# Allegro board BeagleBoard-X15_RevA2.brd (continued)
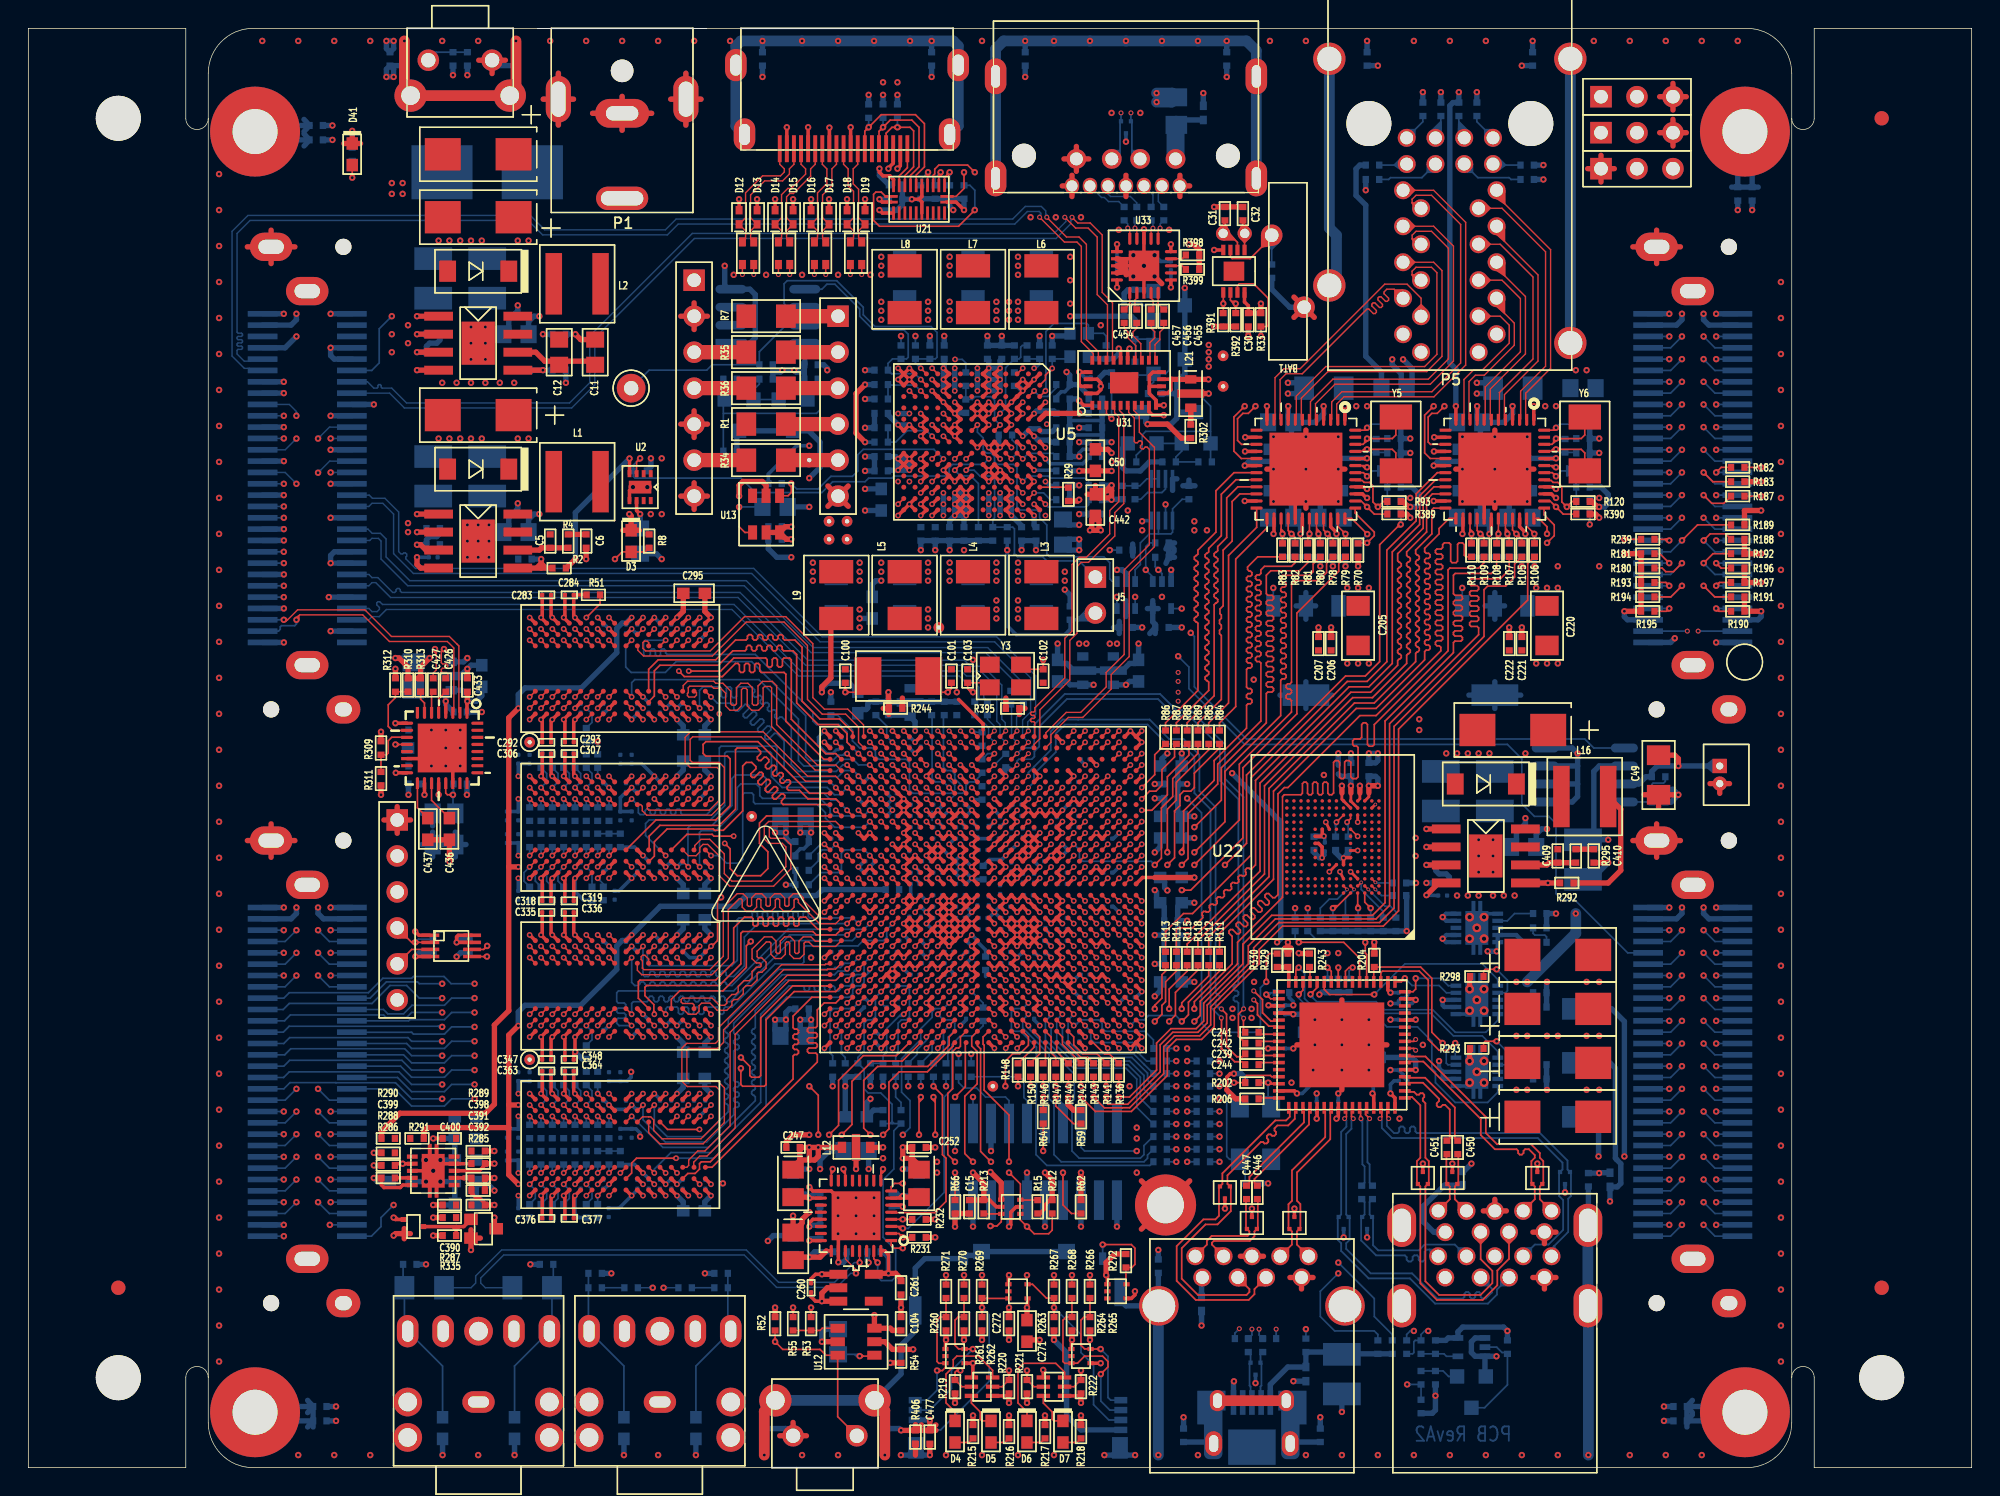
[diagram p0: board, top side]
## Routing (per net, layer and track width the routed paths; a pad name or vN(x,y) marks a point on that pad's centre or on a via; arc(x,y) is an arc through that point) (continued)
  BOTTOM w0.254: v1(72.99,44.81) 72.59,45.2 C140.1
  BOTTOM w0.381: R427.1 78.11,81.03 77.85,81.28 77.34,81.28 ; 77.34,81.28 77.34,82.88 77.61,83.15 R426.1 79.32,83.15 Q10.2 ; 77.34,81.28 v2(73.53,81.28) ; C21.2 72.28,73.14 71.51,73.14 71.32,73.33 70.71,73.33 v1(70.19,72.81) ; P12.4 74.3,2.66 73.28,3.68 73.28,8.13 v2(72.39,9.02)
VDD_SHV5: length 19.1
  TOP w0.254: U11.V12 v1(68.99,43.21) ; v1(70.99,72.81) U5.B6
  SIG_L10 w0.381: v1(70.99,72.81) 71.08,72.9 76.84,72.9 77.22,72.52 77.22,71.25 76.96,70.99 v2(76.45,70.99)
  BOTTOM w0.254: v1(68.99,43.21) 68.71,42.93 67.83,42.93 C105.1
  BOTTOM w0.381: R423.1 79.12,70.99 78.49,70.36 77.47,70.36 77.25,70.58 R424.1 ; R424.1 v2(76.45,70.99) ; R424.1 77.25,71.95 Q9.2 ; v1(70.99,72.81) 71.27,72.53 72,72.53 72.14,72.39 C22.2
VDDA_1V8_PHYA: length 4.1
  TOP w0.254: v1(63.79,68.81) U5.K11 ; v1(69.79,47.21) U11.AB12 v1(68.99,46.41) U11.AA13
  BOTTOM w0.254: v1(68.99,46.41) 69.07,46.41 C243.1 69.47,46.89 v1(69.79,47.21)
  BOTTOM w0.381: C245.1 v2(79.5,48.26)
  vias: v2(76.33,58.17) v2(76.84,58.17)
VDDA_1V8_PHYB: length 0.7
  TOP w0.254: v1(63.79,68.01) U5.K12
  GND_L9 w0.381: 74.04,58.17 v2(74.17,58.17)
  vias: v2(74.68,58.17)
VDDA_1V8_PLL: length 31.6
  TOP w0.254: U11.AE16 v1(65.79,49.61) ; v1(70.99,74.41) U5.B5 ; U11.AD16 v1(65.79,48.81)
  SIG_L10 w0.381: v1(70.99,74.41) 69.67,73.09 66.99,73.09 66.47,72.56 66.47,71.79 66.8,71.46 66.8,66.8 66.04,66.04 63.12,66.04 62.23,65.15 62.23,58.67 65.53,55.37 v2(65.53,54.74)
  BOTTOM w0.381: v1(70.99,74.41) 71.16,74.59 72.38,74.59 C29.2
VIN3A_CLKO: length 54.2
  TOP w0.12: U11.P1 v1(78.59,40.01)
  SIG_L8 w0.094: v2(116.71,67.05) 116.71,66.67 116.33,66.29 115.7,66.29 110.49,61.09 110.49,60.71 107.57,57.78 107.57,56.52 102.62,51.56 99.19,51.56 96.14,48.51 92.46,48.51 91.95,48.01 90.93,48.01 82.4,39.48 79.27,39.48 78.74,40.01 v1(78.59,40.01)
  BOTTOM w0.12: P16.50 115.91,66.25 v2(116.71,67.05)
VIN3A_D0: length 59.5
  TOP w0.12: U11.M6 v1(74.59,38.41) ; v2(115.82,65.45) 115.74,65.53 R239.1
  SIG_L5 w0.094: v1(74.59,38.41) 74.59,38.52 75.01,38.94 75.01,39.36 75.28,39.63 75.59,39.63 75.81,39.85 75.81,40.18 76.14,40.51 76.25,40.51 76.57,40.83 77.06,40.83 77.38,41.15 77.85,41.15 77.98,41.27 78.74,41.27 79.12,41.66 81.53,41.66 82.02,42.14 87.1,42.14 91.06,46.1 97.92,46.1 99.82,48.01 104.14,48.01 115.32,59.18 115.32,64.95 v2(115.82,65.45)
  BOTTOM w0.12: P16.51 v2(115.82,65.45)
VIN3A_D1: length 58.8
  TOP w0.12: U11.M2 v1(77.79,38.41) ; R189.1 117.81,66.55 v2(116.71,65.45)
  SIG_L8 w0.094: v2(116.71,65.45) 116.03,64.77 115.57,64.77 111.25,60.45 111.25,58.67 103.38,50.8 99.95,50.8 96.39,47.24 91.31,47.24 82.3,38.23 80.39,38.23 79.84,38.78 78.16,38.78 v1(77.79,38.41)
  BOTTOM w0.12: v2(116.71,65.45) 115.91,64.65 P16.52
VIN3A_D2: length 67.9
  TOP w0.12: U11.L5 v1(75.39,37.61) ; R183.1 118.89,69.6 v2(118.24,70.25)
  SIG_L8 w0.094: v2(118.24,70.25) 117.33,69.34 114.68,69.34 108.71,63.37 108.71,61.59 101.73,54.61 92.46,54.61 82.68,44.83 81.92,44.83 81.03,43.94 81.03,42.55 80.62,42.14 79.27,42.14 78.99,42.42 78.99,42.55 78.74,42.8 77.65,42.8 77.41,42.56 77.41,42.25 77.14,41.98 76.83,41.98 76.61,41.76 76.61,41.45 75.54,40.38 75.23,40.38 75.01,40.16 75.01,39.85 74.74,39.58 74.43,39.58 74.17,39.32 74.17,38.29 74.43,38.03 74.96,38.03 v1(75.39,37.61)
  BOTTOM w0.12: v2(118.24,70.25) 118.24,70.25 119.04,69.45 P16.16
VIN3A_D3: length 58.1
  TOP w0.12: U11.M1 v1(78.59,38.41) ; R188.1 119.79,65.91 118.7,65.91 v2(118.24,65.45)
  SIG_L8 w0.094: v2(118.24,65.45) 117.3,64.52 115.7,64.52 111.51,60.33 111.51,58.55 103.63,50.67 103.63,50.16 102.33,48.86 99.1,48.86 96.59,46.35 90.81,46.35 82.42,37.97 80.26,37.97 79.83,38.41 v1(78.59,38.41)
  BOTTOM w0.12: v2(118.24,65.45) 119.04,64.65 P16.22
VIN3A_D4: length 67.9
  TOP w0.12: v2(119.13,70.25) 119.49,70.61 R182.1 ; U11.L6 v1(74.59,37.61)
  SIG_L8 w0.094: v1(74.59,37.61) 74.41,37.61 73.99,38.03 73.63,38.03 73.41,38.25 73.41,38.4 73.41,38.41 73.41,39.36 73.68,39.63 73.94,39.63 74.21,39.89 74.21,40.16 75.28,41.23 75.54,41.23 75.81,41.49 75.81,41.76 76.08,42.03 76.34,42.03 76.61,42.29 76.61,42.56 76.88,42.83 77.14,42.83 77.41,43.09 77.41,43.36 77.68,43.63 78.8,43.63 78.99,43.43 78.99,43.13 79.09,43.03 80.52,43.03 80.77,43.29 80.77,44.45 81.92,45.59 82.93,45.59 92.2,54.86 101.6,54.86 108.46,61.72 108.46,63.5 115.82,70.87 118.51,70.87 v2(119.13,70.25)
  BOTTOM w0.12: P16.15 v2(119.13,70.25)
VIN3A_D5: length 64
  TOP w0.12: U11.L4 v1(76.19,37.61) ; v2(118.24,68.65) 118.81,68.07 119.67,68.07 R187.1
  SIG_L8 w0.094: v2(118.24,68.65) 117.28,67.69 115.7,67.69 113.03,65.02 112.52,65.02 112.01,64.52 112.01,64.01 109.73,61.72 109.73,61.09 102.23,53.59 93.6,53.59 83.09,43.08 83.09,41.43 82.42,40.77 81.98,40.77 81.57,40.36 81.05,40.36 80.79,40.62 80.79,40.91 80.54,41.17 79.34,41.17 79.1,40.93 79.1,40.92 79.01,40.82 78.16,40.82 77.85,40.51 77.72,40.51 77.36,40.15 77.36,39.85 77.14,39.62 76.84,39.62 76.58,39.37 76.58,38 v1(76.19,37.61)
  BOTTOM w0.12: P16.18 119.04,67.85 v2(118.24,68.65)
VIN3A_D6: length 54.8
  TOP w0.12: U11.L3 v1(76.99,37.61) ; R181.1 115.15,64.52 v2(115.82,63.85)
  SIG_L8 w0.094: v2(115.82,63.85) 114.55,62.59 114.55,61.21 103.89,50.55 103.89,50.04 102.49,48.64 99.19,48.64 96.65,46.1 90.93,46.1 82.04,37.21 80.52,37.21 79.73,37.99 77.38,37.99 v1(76.99,37.61)
  BOTTOM w0.12: P16.53 v2(115.82,63.85)
VIN3A_D7: length 57.1
  TOP w0.12: v2(116.71,63.85) 116.11,63.25 115.57,63.25 115.32,63.5 R180.1 ; U11.L2 v1(77.79,37.61)
  SIG_L8 w0.094: v1(77.79,37.61) 78.18,37.21 78.74,37.21 79.25,36.7 82.3,36.7 90.55,44.96 96.27,44.96 99.44,48.13 102.74,48.13 104.39,49.78 104.39,50.29 115.32,61.21 115.32,62.45 v2(116.71,63.85)
  BOTTOM w0.12: P16.54 115.91,63.05 116.71,63.85 v2(116.71,63.85)
VIN3A_D8: length 56.7
  TOP w0.12: v2(119.13,63.85) 119.48,63.5 R196.1 ; U11.L1 v1(78.59,37.61)
  SIG_L8 w0.094: v1(78.59,37.61) 78.73,37.61 79.38,36.96 82.17,36.96 90.42,45.21 96.14,45.21 99.31,48.39 102.62,48.39 104.14,49.91 104.14,50.42 114.94,61.21 114.94,62.4 116.22,63.68 116.22,64.02 116.47,64.26 118.71,64.26 v2(119.13,63.85)
  BOTTOM w0.12: P16.23 v2(119.13,63.85)
VIN3A_D9: length 51.7
  TOP w0.12: U11.K2 v1(77.79,36.81) ; v2(115.82,60.65) 115.62,60.45 R195.1
  SIG_L8 w0.094: v2(115.82,60.65) 115.13,60.65 104.65,50.16 104.65,49.66 102.87,47.88 99.57,47.88 95.89,44.2 90.17,44.2 82.36,36.38 78.21,36.38 v1(77.79,36.81)
  BOTTOM w0.12: P16.57 v2(115.82,60.65)
VIN3A_D10: length 55.5
  TOP w0.12: v2(116.71,62.25) 115.93,61.47 R194.1 ; U11.J1 v1(78.59,36.01)
  SIG_L8 w0.094: v2(116.71,62.25) 116.71,60.58 116.08,59.94 115.75,59.94 103.43,47.62 99.7,47.62 96.14,44.07 96.14,44.04 96.05,43.94 90.3,43.94 82.36,36.01 v1(78.59,36.01)
  BOTTOM w0.12: P16.56 115.91,61.45 v2(116.71,62.25)
VIN3A_D11: length 57.4
  TOP w0.12: R193.1 115.58,62.48 v2(115.82,62.25) ; U11.J2 v1(77.79,36.01)
  SIG_L8 w0.094: v1(77.79,36.01) 78.16,35.63 78.8,35.63 79.27,35.16 81.89,35.16 90.3,43.56 93.09,43.56 93.47,43.18 95.63,43.18 99.82,47.37 103.56,47.37 115.87,59.69 116.33,59.69 117.22,60.58 117.22,62.48 116.97,62.74 116.31,62.74 v2(115.82,62.25)
  BOTTOM w0.12: P16.55 v2(115.82,62.25)
VIN3A_D12: length 58.9
  TOP w0.12: R192.1 118.9,64.52 v2(118.24,63.85) ; U11.H1 v1(78.59,35.21)
  SIG_L8 w0.094: v1(78.59,35.21) 78.84,35.21 79.11,34.94 82.05,34.94 89.79,42.67 95.5,42.67 99.95,47.12 103.68,47.12 116,59.44 116.59,59.44 117.6,60.45 117.6,63.21 v2(118.24,63.85)
  BOTTOM w0.12: v2(118.24,63.85) 118.24,63.85 119.04,63.05 P16.24
VIN3A_D13: length 63.8
  TOP w0.12: U11.J3 v1(76.99,36.01) ; R191.1 119.02,61.47 v2(118.24,62.25)
  SIG_L8 w0.094: v2(118.24,62.25) 119.63,60.85 119.63,60.33 117.98,58.67 117.09,58.67 116.59,58.17 115.57,58.17 104.01,46.61 102.11,46.61 97.16,41.66 89.53,41.66 82.68,34.8 82.68,34.16 82.36,33.84 80.71,33.84 80.53,34.03 77.61,34.03 77.36,34.27 77.36,35.67 77.02,36.01 v1(76.99,36.01)
  BOTTOM w0.12: P16.26 119.04,61.45 v2(118.24,62.25)
VIN3A_D14: length 55.5
  TOP w0.12: R190.1 119.32,60.45 v2(119.13,60.65) ; U11.H2 v1(77.79,35.21)
  SIG_L8 w0.094: v1(77.79,35.21) 78.19,34.8 78.87,34.8 78.95,34.72 82.21,34.72 89.92,42.42 96.52,42.42 100.97,46.86 103.89,46.86 116.2,59.18 116.71,59.18 118.18,60.65 v2(119.13,60.65)
  BOTTOM w0.12: P16.27 v2(119.13,60.65)
VIN3A_D15: length 61.8
  TOP w0.12: R197.1 119.36,62.48 v2(119.13,62.25) ; U11.H3 v1(76.99,35.21)
  SIG_L8 w0.094: v1(76.99,35.21) 76.99,34.14 77.36,33.76 77.36,33.45 77.58,33.23 78.82,33.23 79.37,33.78 80.45,33.78 80.61,33.62 82.52,33.62 82.93,34.04 82.93,34.67 88.65,40.39 96.39,40.39 97.79,41.78 98.55,41.78 103.12,46.35 104.14,46.35 115.7,57.91 117.6,57.91 119.89,60.2 119.89,61.49 v2(119.13,62.25)
  BOTTOM w0.12: P16.25 v2(119.13,62.25)
VIN3A_D16: length 66.7
  TOP w0.12: U11.R6 v1(74.59,41.61)
  SIG_L10 w0.094: v2(116.71,78.25) 116.06,77.6 115.57,77.6 112.01,74.04 112.01,66.67 108.2,62.87 97.28,62.87 83.44,49.02 79.77,49.02 79.15,48.41 79.15,48.07 78.73,47.65 78.51,47.65 77.34,46.48 77.34,46.26 77.13,46.05 76.91,46.05 76.54,45.68 76.54,45.46 76.33,45.25 76.11,45.25 75.74,44.88 75.74,44.66 75.53,44.45 75.31,44.45 74.94,44.08 74.94,41.96 v1(74.59,41.61)
  BOTTOM w0.12: P16.36 115.91,77.45 v2(116.71,78.25)
VIN3A_D17: length 64.3
  TOP w0.12: U11.T9 v1(72.19,42.41)
  SIG_L5 w0.094: v1(72.19,42.41) 72.56,42.03 74.74,42.03 75.01,42.29 75.01,42.56 75.28,42.83 75.54,42.83 75.81,43.09 75.81,43.36 76.08,43.63 76.34,43.63 76.61,43.89 76.61,44.16 76.88,44.43 77.14,44.43 77.41,44.69 77.41,44.96 77.68,45.23 77.94,45.23 78.16,45.45 78.16,45.78 78.37,45.98 79.26,45.98 81.15,47.88 82.17,47.88 85.85,51.56 94.23,51.56 98.04,55.37 108.08,55.37 114.05,61.34 114.05,70.36 115.54,71.85 v2(115.82,71.85)
  BOTTOM w0.12: P16.43 v2(115.82,71.85)
VIN3A_D18: length 64
  TOP w0.12: U11.T6 v1(74.59,42.41)
  SIG_L5 w0.094: v1(74.59,42.41) 74.59,42.46 75.01,42.88 75.01,43.39 75.25,43.63 75.54,43.63 75.76,43.85 75.76,44.14 76.05,44.43 76.34,44.43 76.61,44.69 76.61,44.96 76.88,45.23 77.14,45.23 77.41,45.49 77.41,45.76 78.48,46.83 79.72,46.83 84.71,51.82 93.98,51.82 97.79,55.63 104.65,55.63 113.79,64.77 113.79,70.48 115.95,72.64 117.43,72.64 v2(118.24,73.45)
  BOTTOM w0.12: P16.12 119.04,72.65 v2(118.24,73.45)
VIN3A_D19: length 63.5
  TOP w0.12: U11.T7 v1(73.79,42.41)
  SIG_L5 w0.094: v2(116.71,73.45) 116.29,73.03 115.95,73.03 113.54,70.61 113.54,64.9 104.52,55.88 97.54,55.88 93.73,52.07 84.58,52.07 80.14,47.62 78.36,47.62 77.41,46.67 77.41,46.16 77.22,45.98 76.83,45.98 76.61,45.76 76.61,45.45 76.34,45.18 76.03,45.18 75.81,44.96 75.81,44.69 75.54,44.43 75.28,44.43 74.96,44.12 74.96,43.85 74.74,43.63 74.48,43.63 74.21,43.36 74.21,42.84 73.79,42.42 v1(73.79,42.41)
  BOTTOM w0.12: P16.42 115.91,72.65 v2(116.71,73.45)
VIN3A_D20: length 70.6
  TOP w0.12: U11.P6 v1(74.59,40.01)
  SIG_L10 w0.094: v2(118.24,75.05) 117.86,74.67 117.86,73.15 116.97,72.26 115.7,72.26 115.06,71.63 115.06,58.42 104.14,47.5 91.31,47.5 84.62,40.8 81.94,40.8 81.57,41.17 79.02,41.17 78.75,40.89 75.18,40.89 74.59,40.3 v1(74.59,40.01)
  BOTTOM w0.12: v2(118.24,75.05) 119.04,74.25 P16.10
VIN3A_D21: length 68.7
  TOP w0.12: U11.R9 v1(72.19,41.61)
  SIG_L5 w0.094: v1(72.19,41.61) 72.64,41.15 74.68,41.15 75.01,41.48 75.01,41.76 75.28,42.03 75.54,42.03 75.81,42.29 75.81,42.56 76.08,42.83 76.34,42.83 76.61,43.09 76.61,43.36 76.88,43.63 77.14,43.63 77.41,43.89 77.41,44.16 77.68,44.43 77.94,44.43 78.16,44.65 78.16,44.92 78.46,45.21 78.99,45.21 81.41,47.62 82.3,47.62 85.98,51.31 94.49,51.31 98.3,55.12 108.2,55.12 114.3,61.21 114.3,70.23 115.44,71.37 115.95,71.37 116.22,71.64 116.22,72.08 116.53,72.39 118.59,72.39 v2(119.13,71.85)
  BOTTOM w0.12: P16.13 v2(119.13,71.85)
VIN3A_D22: length 68.6
  TOP w0.12: U11.R5 v1(75.39,41.61)
  SIG_L10 w0.094: v1(75.39,41.61) 75.64,41.61 76.02,41.98 76.3,41.98 76.61,42.29 76.61,44.13 76.84,44.36 77.12,44.36 77.43,44.67 77.43,44.95 77.64,45.16 77.84,45.16 78.14,45.46 78.14,45.75 78.44,46.05 79.07,46.05 80.77,47.75 85.34,47.75 91.57,53.98 102.36,53.98 112.27,63.88 112.27,73.91 115.63,77.28 117.27,77.28 v2(118.24,78.25)
  BOTTOM w0.12: P16.6 119.04,77.45 v2(118.24,78.25)
VIN3A_D23: length 60.6
  TOP w0.12: U11.P5 v1(75.39,40.01)
  SIG_L5 w0.094: v2(115.82,70.25) 115.06,69.49 115.06,60.83 102.49,48.26 99.7,48.26 97.79,46.35 90.55,46.35 88.14,43.94 82.04,43.94 81.79,43.69 81.79,43.18 81.53,42.93 81.28,42.93 80.38,42.03 77.59,42.03 77.41,41.85 77.41,41.49 76.96,41.05 76.48,41.05 76.19,40.77 76.08,40.77 75.39,40.07 v1(75.39,40.01)
  BOTTOM w0.12: P16.45 v2(115.82,70.25)
VIN3A_DEO: length 69.2
  TOP w0.12: U11.N9 v1(72.19,39.21)
  SIG_L5 w0.094: v2(118.24,71.85) 117.25,70.87 115.7,70.87 114.81,69.98 114.81,60.96 102.36,48.51 99.57,48.51 98.3,47.24 91.06,47.24 88.65,44.83 81.79,44.83 80.9,43.94 80.9,43.31 80.54,42.95 79.34,42.95 79.19,42.8 77.65,42.8 77.36,42.52 77.36,42.25 77.14,42.03 76.88,42.03 76.61,41.76 76.61,41.49 76.26,41.15 76,41.15 75.49,40.64 73.03,40.64 72.56,40.18 72.56,39.58 v1(72.19,39.21)
  BOTTOM w0.12: P16.14 119.04,71.05 v2(118.24,71.85)
VIN3A_FLD: length 67.3
  TOP w0.12: U11.P9 v1(72.19,40.01)
  SIG_L5 w0.094: v2(116.71,71.85) 116.71,71.63 116.2,71.12 115.57,71.12 114.55,70.1 114.55,61.09 108.33,54.86 98.55,54.86 94.74,51.05 86.23,51.05 79.61,44.43 78.48,44.43 78.16,44.12 78.16,43.85 77.94,43.63 77.68,43.63 77.41,43.36 77.41,43.05 77.14,42.78 76.83,42.78 76.61,42.56 76.61,42.25 76.34,41.98 76.03,41.98 75.81,41.76 75.81,41.39 75.31,40.89 72.77,40.89 72.19,40.31 v1(72.19,40.01)
  BOTTOM w0.12: v2(116.71,71.85) 115.91,71.05 P16.44
VIN3A_HSYNC: length 72.2
  TOP w0.12: U11.N7 v1(73.79,39.21)
  SIG_L10 w0.094: v1(73.79,39.21) 74.17,39.59 74.17,40.39 74.93,41.15 78.69,41.15 78.94,41.4 81.66,41.4 82.04,41.02 84.46,41.02 91.19,47.75 104.01,47.75 114.81,58.55 114.81,71.75 115.57,72.52 116.84,72.52 117.6,73.28 117.6,75.18 117.87,75.45 118.72,75.45 v2(119.13,75.05)
  BOTTOM w0.12: P16.9 v2(119.13,75.05)
VIN3A_VSYNC: length 62.6
  TOP w0.12: U11.R4 v1(76.19,41.61)
  SIG_L10 w0.094: v2(115.82,76.65) 113.03,73.86 113.03,64.26 99.82,51.05 90.17,51.05 84.71,45.59 81.28,45.59 80.07,44.38 78.43,44.38 78.21,44.16 78.21,43.85 77.94,43.58 77.63,43.58 77.41,43.36 77.41,42.29 77.1,41.98 76.78,41.98 76.4,41.61 v1(76.19,41.61)
  BOTTOM w0.12: P16.37 v2(115.82,76.65)
VSSA_OSC0: length 5.8
  TOP w0.12: 67.39,52.07 67.39,50.41
  TOP w0.254: 65.66,54.23 67.39,52.5 67.39,52.07 ; 67.39,50.41 U11.AF15
  TOP w0.381: R244.1 61.69,54.32
VSSA_OSC1: length 11.2
  TOP w0.12: U11.AC14 v1(68.19,48.01)
  TOP w0.381: R395.1 68.99,54.32
  GND_L9 w0.094: v1(68.19,48.01) 67.82,48.01 67.31,48.51 67.31,56.39 v2(66.68,57.02)
74801SS: length 2.7
  BOTTOM w0.12: R200.2 104.9,39.12 104.39,38.6 U16.7
AIC_AVDD_DAC3.3: length 6
  TOP w0.254: 56.33,15.31 U18.25
  TOP w0.381: L13.2 54.18,14.86 v2(55.12,14.86) 55.88,14.86 56.33,15.31
  BOTTOM w0.381: C248.1 55.5,15.24 v2(55.12,14.86) C249.1
AIC_BCLK: length 13.5
  TOP w0.12: R231.1 v2(61.72,16.26) 61.45,16.53 U18.2
  INT_L3 w0.094: v2(61.72,16.26) 62.23,16.76 62.23,24.77 62.51,25.04 62.51,26.44 v2(62.99,26.92)
  BOTTOM w0.12: R227.2 v2(62.99,26.92)
AIC_BCLKR: length 2.9
  TOP w0.12: U11.B18 v1(64.19,30.41)
  BOTTOM w0.12: R227.1 63.79,29.34 63.79,30.01 v1(64.19,30.41)
AIC_DIN: length 12.1
  TOP w0.12: U18.4 v2(61.72,17.53) 61.72,17.53 R232.1
  INT_L3 w0.094: v2(61.72,17.53) 61.21,18.03 61.21,24.51 61.59,24.89 61.59,26.42 v2(62.1,26.92)
  BOTTOM w0.12: R225.2 v2(62.1,26.92)
AIC_DINR: length 3
  TOP w0.12: U11.B19 v1(63.39,30.41)
  BOTTOM w0.12: R225.1 62.74,29.18 62.74,29.52 63.39,30.17 v1(63.39,30.41)
AIC_DOUT: length 13.4
  TOP w0.12: U18.5 60.93,18 63.97,18 64.77,18.8 64.77,21.84 64.52,22.1 64.52,26.29 v2(63.88,26.92)
  BOTTOM w0.12: R229.2 v2(63.88,26.92)
AIC_DOUTR: length 3.7
  TOP w0.12: U11.C17 v1(64.99,31.21)
  BOTTOM w0.12: R229.1 64.52,29.18 64.52,29.19 64.59,29.25 64.59,30.81 v1(64.99,31.21)
AIC_DRVDD3.3: length 9.7
  TOP w0.254: U18.18 v2(55.12,19.03) ; U18.24 v2(55.12,16.03)
  TOP w0.381: v2(55.12,19.03) 55.05,19.1 L15.2
  SIG_L10 w0.381: v2(55.12,19.03) 55.37,19.03 55.75,18.65 55.75,16.38 55.4,16.03 v2(55.12,16.03)
  BOTTOM w0.381: v2(55.12,16.03) 55.25,16.16 C259.1 ; C257.1 54.84,19.3 v2(55.12,19.03) 55.49,19.4 C258.1
AIC_DVDD: length 6.1
  TOP w0.254: U18.32 60.45,15.31 60.71,15.05 v2(60.71,13.72)
  TOP w0.381: U19.5 59.74,13.72 v2(60.71,13.72) 61.21,13.72 61.59,13.34 C261.1
  BOTTOM w0.381: v2(60.71,13.72) 60.71,14.86 60.33,15.24 C262.1
AIC_IOVDD3.3: length 4.1
  TOP w0.254: U18.7 61.57,19.03 v2(61.72,19.18)
  TOP w0.381: v2(61.72,19.18) 61.8,19.1 L14.2
  BOTTOM w0.381: C254.1 62.74,19.18 v2(61.72,19.18) 61.47,19.18 61.25,19.4 C253.1
AIC_MCLK: length 14.6
  TOP w0.12: v2(61.72,15.49) 61.09,15.49 60.89,15.69 U18.1
  INT_L3 w0.094: v2(64.77,26.92) 64.77,22.8 63.12,21.15 63.12,16.89 v2(61.72,15.49)
  BOTTOM w0.12: R223.2 v2(64.77,26.92)
AIC_MCLKR: length 5.1
  TOP w0.12: U11.D18 v1(64.19,32.01)
  BOTTOM w0.12: R223.1 64.9,28.67 64.9,30.37 65.39,30.86 65.39,31.37 65.15,31.61 64.59,31.61 v1(64.19,32.01)
AIC_WCLK: length 18.6
  TOP w0.12: v2(61.72,16.89) 61.58,17.03 U18.3
  BOTTOM w0.12: R224.2 67.39,31.19 66.68,30.48 65.79,30.48 65.19,29.88 65.19,26.71 64.64,26.16 64.64,19.43 62.1,16.89 v2(61.72,16.89)
AIC_WCLKR: length 2
  TOP w0.12: U11.F15 v1(66.59,33.61)
  BOTTOM w0.12: R224.1 67.39,32.81 v1(66.59,33.61)
AM_CAP0: length 1.2
  TOP w0.12: U11.Y15 v1(66.59,45.61)
  BOTTOM w0.254: C141.2 U11.Y15 v1(66.59,45.61)
AM_CAP1: length 1.1
  TOP w0.12: U11.J19 v1(63.39,36.01)
  BOTTOM w0.254: v1(63.39,36.01) 63.07,36.32 C143.2
AM_CAP2: length 1.2
  TOP w0.12: U11.P19 v1(63.39,40.01)
  BOTTOM w0.254: C145.2 62.99,40.41 v1(63.39,40.01)
AM_CAP3: length 1.1
  TOP w0.12: U11.Y16 v1(65.79,45.61)
  BOTTOM w0.254: v1(65.79,45.61) 66.1,45.29 C147.2
AM_CAP4: length 1.2
  TOP w0.12: U11.K9 v1(72.19,36.81)
  BOTTOM w0.254: v1(72.19,36.81) 71.79,37.2 C149.2
AM_CAP5: length 1.1
  TOP w0.12: U11.J9 v1(72.19,36.01)
  BOTTOM w0.254: C151.2 71.87,36.32 v1(72.19,36.01)
AM_CAP6: length 1.1
  TOP w0.12: U11.K19 v1(63.39,36.81)
  BOTTOM w0.254: v1(63.39,36.81) 63.07,37.12 C153.2
AM_CAP7: length 1.2
  TOP w0.12: U11.L9 v1(72.19,37.61)
  BOTTOM w0.254: v1(72.19,37.61) 71.79,38 C155.2
AM_CAP8: length 1.1
  TOP w0.12: U11.R20 v1(62.59,41.61)
  BOTTOM w0.254: v1(62.59,41.61) 62.9,41.29 C142.1
AM_CAP9: length 1.1
  TOP w0.12: U11.Y14 v1(68.19,45.61)
  BOTTOM w0.254: v1(68.19,45.61) 67.87,45.29 C144.1
AM_CAP10: length 1.2
  TOP w0.12: U11.J16 v1(65.79,36.01)
  BOTTOM w0.254: v1(65.79,36.01) 66.19,36.4 C146.1
AM_CAP11: length 1.1
  TOP w0.12: U11.J10 v1(71.39,36.01)
  BOTTOM w0.254: v1(71.39,36.01) 71.07,36.32 C148.1
AM_CAP12: length 1.1
  TOP w0.12: U11.T20 v1(62.59,42.41)
  BOTTOM w0.254: C150.1 62.9,42.09 v1(62.59,42.41)
AM_CAP13: length 1.1
  TOP w0.12: U11.Y13 v1(68.99,45.61)
  BOTTOM w0.254: C152.1 68.67,45.29 v1(68.99,45.61)
AM_CAP14: length 2.5
  TOP w0.12: U11.K16 v1(66.59,37.61)
  BOTTOM w0.254: R417.1 67.56,36.54 C154.1 66.9,37.29 v1(66.59,37.61)
AUDIN_L: length 21.1
  TOP w0.102: v2(57.53,21.08) 57.67,20.94 U18.14
  INT_L3 w0.094: v2(57.53,21.08) 56.15,19.7 56.15,14.57 54.39,12.81 44.94,12.81 v2(44.83,12.7)
  BOTTOM w0.102: R230.1 v2(44.83,12.7)
AUDIN_R: length 21.2
  TOP w0.102: U18.16 56.67,20.98 v2(56.77,21.08)
  INT_L3 w0.094: v2(56.77,21.08) 56.77,20.81 55.75,19.8 55.75,14.73 54.23,13.21 44.58,13.21 v2(44.07,12.7)
  BOTTOM w0.102: R233.1 v2(44.07,12.7)
AUDIN_RL: length 1.6
  BOTTOM w0.12: C256.1 R233.2
AUDIN_RR: length 1.6
  BOTTOM w0.12: C255.1 R230.2
AUDIO_L: length 33.2
  TOP w0.102: v2(58.42,13.72) 58.42,13.97 57.67,14.72 U18.27
  BOTTOM w0.102: C250.1 32.26,12.7 31.93,13.03 31.93,13.39 33.55,15.01 50.53,15.01 52.81,12.73 57.05,12.73 58.04,13.72 v2(58.42,13.72)
AUDIO_R: length 33.1
  TOP w0.102: v2(58.67,14.48) 58.67,14.48 U18.29
  BOTTOM w0.102: C251.1 31.24,12.7 31.57,13.03 31.57,13.53 33.41,15.37 50.67,15.37 52.96,13.08 56.9,13.08 58.3,14.48 v2(58.67,14.48)
AUXFAN_EN: length 56.4
  TOP w0.12: U5.A12 v1(71.79,68.01)
  SIG_L5 w0.094: v2(82.04,58.93) 82.04,61.09 80.65,62.48 78.49,62.48 76.96,64.01 74.17,64.01 72.64,65.53 72.64,67.15 v1(71.79,68.01)
  BOTTOM w0.12: v1(71.79,68.01) 71.98,67.82 74.68,67.82 74.84,67.98 R24.1 ; v2(82.04,58.93) 82.3,58.67 82.3,55.12 85.98,51.44 109.86,51.44 110.49,50.8 U32.1
B_UART3_RX: length 4.1
  TOP w0.12: U20.2 v2(27.3,37.08) 27.06,37.08 P10.4
  BOTTOM w0.12: R236.1 27.53,37.3 v2(27.3,37.08)
B_UART3_TX: length 2.8
  TOP w0.12: P10.5 27.06,36.58 U20.3
BATEN0: length 12.6
  TOP w0.12: U17.36 94.96,35.3 R204.1 98.26,35.34 99.06,34.54 99.06,30.73 v2(99.82,29.97)
  BOTTOM w0.12: U29.4 100.2,28.44 100.08,28.56 100.08,29.72 v2(99.82,29.97)
BATEN1: length 12
  TOP w0.12: v2(100.71,29.97) 100.33,29.59 100.33,29.58 100.21,29.46 99.57,29.46 98.81,30.23 98.81,34.42 98.17,35.05 95.58,35.05 95.46,34.93 U17.35
  BOTTOM w0.12: U29.5 100.71,28.99 v2(100.71,29.97)
BATEN2: length 4.8
  TOP w0.12: U17.33 96.9,34.29 v2(97.16,34.54)
  BOTTOM w0.12: U30.4 100.08,33.52 99.57,34.04 97.66,34.04 v2(97.16,34.54)
BATEN3: length 4.7
  TOP w0.12: v2(97.92,34.54) 97.92,33.78 97.73,33.59 U17.32
  BOTTOM w0.12: U30.5 100.22,34.02 99.7,34.54 v2(97.92,34.54)
BU_BATT: length 6.3
  TOP w0.12: U6.3 84.84,85.47 84.96,85.34 86.23,85.34 87.76,86.87 BAT1.1
  BOTTOM w0.12: R416.1 BAT1.1
CDC_CAP1: length 3
  TOP w0.12: U7.19 28.46,47.11 C436.1
CDC_CAP2: length 2.8
  TOP w0.12: U7.17 27.46,46.58 C437.1
CDC_OE: length 1.6
  TOP w0.12: U7.7 27.96,53.98 27.69,54.25 R313.1
CDC_OS1: length 5
  TOP w0.12: U7.10 25.67,52.05 25.4,52.32 25.4,53.85 25.91,54.36 R312.1 R310.2
CDC_OS2: length 4.1
  TOP w0.12: U7.11 26.72,51.56 25.65,51.56 25.4,51.31 25.4,50.44 25.28,50.33 R309.2 R311.1
CDC_OSCIN: length 3.4
  TOP w0.12: v2(29.97,47.5) 29.58,47.5 29.46,47.62 U7.21
  BOTTOM w0.12: Y8.3 29.97,46.35 v2(29.97,47.5) 30.01,47.53 C435.1
CLKOUT3: length 68.5
  TOP w0.12: U11.C23 v1(60.19,31.21)
  SIG_L5 w0.094: v1(60.19,31.21) 60.19,30.98 59.82,30.61 59.82,30.34 59.45,29.97 59.18,29.97 58.95,29.74 58.95,29.23 57.79,28.07 54.48,28.07 51.82,25.4 51.82,20.57 48.39,17.14 32.89,17.14 32.51,17.53 32.51,24 33.4,24.89 33.4,29.84 31.62,31.62 29.72,31.62 v2(29.21,32.13)
  BOTTOM w0.12: P17.41 18.08,31.54 18.49,31.96 25.07,31.96 25.24,31.79 26.71,31.79 27.05,32.13 v2(29.21,32.13)
CON.PCIE_RXN0: length 53.4
  TOP w0.12: U11.AG13 v3(68.99,51.21)
  BOTTOM w0.102: v3(68.99,51.21) 68.58,51.61 68.58,52.46 68.35,52.68 68.35,55.09 67.23,56.21 66.34,56.21 65.91,56.64 54.86,56.64 50.08,61.42 25.57,61.42 24.52,62.47 24.26,62.47 24.03,62.25 P19.25
CON.PCIE_RXN1: length 60.3
  TOP w0.12: U11.AG11 v3(70.59,51.21)
  BOTTOM w0.102: v3(70.59,51.21) 70.18,51.62 70.18,52.78 70.74,53.34 70.74,55.75 68.2,58.29 55.88,58.29 51.05,63.12 27.18,63.12 25.78,64.52 25.78,67.31 25.02,68.07 24.26,68.07 24.03,67.85 P19.18
CON.PCIE_RXP0: length 53.4
  TOP w0.12: U11.AH13 v3(68.99,52.01)
  BOTTOM w0.102: v3(68.99,52.01) 68.95,52.04 68.95,52.59 68.71,52.83 68.71,55.24 67.38,56.57 66.49,56.57 66.06,57 55.01,57 50.23,61.78 26.34,61.78 26.26,61.87 26.26,61.97 26.17,62.06 26.04,62.06 25.95,61.97 25.95,61.87 25.86,61.78 25.72,61.78 24.67,62.83 24.26,62.83 24.03,63.05 P19.24
CON.PCIE_RXP1: length 60.2
  TOP w0.12: U11.AH11 v3(70.59,52.01)
  BOTTOM w0.102: v3(70.59,52.01) 70.53,52.06 70.53,52.63 71.09,53.19 71.09,55.9 68.35,58.65 56.03,58.65 51.2,63.47 27.33,63.47 26.64,64.16 26.64,64.29 26.71,64.35 26.71,64.48 26.62,64.57 26.49,64.57 26.42,64.5 26.3,64.5 26.14,64.66 26.14,67.46 25.17,68.43 24.28,68.43 24.06,68.65 P19.17
CON.PCIE_TXN0: length 48
  BOTTOM w0.102: C423.2 67.08,54.35 67.08,55.1 66.65,55.52 66.06,55.52 65.71,55.88 54.36,55.88 49.66,60.58 25.27,60.58 24.77,60.07 24.26,60.07 24.03,59.85 P19.28
CON.PCIE_TXN1: length 52.5
  BOTTOM w0.102: C425.2 69.61,55.1 69.61,55.49 67.56,57.53 55.25,57.53 50.53,62.26 26.78,62.26 24.89,64.14 24.89,65.41 24.7,65.6 24.25,65.6 24.1,65.45 P19.21
CON.PCIE_TXP0: length 49.2
  BOTTOM w0.102: P19.27 24.03,60.65 24.26,60.43 24.62,60.43 24.78,60.59 24.78,60.72 24.59,60.91 24.59,61.04 24.68,61.13 24.8,61.13 25,60.93 49.81,60.93 54.5,56.24 65.85,56.24 66.21,55.88 66.8,55.88 67.44,55.24 67.44,54.32 C422.2
CON.PCIE_TXP1: length 53.2
  BOTTOM w0.102: C424.2 69.96,55.1 69.96,55.63 67.71,57.89 55.4,57.89 50.67,62.61 26.92,62.61 25.25,64.29 25.25,65.56 24.85,65.95 24.27,65.95 23.97,66.25 P19.20
CON_MMC1_CLK: length 15.3
  TOP w0.12: D21.3 67.34,11.95 R269.2 v2(67.31,11.3) R262.2
  BOTTOM w0.12: P12.5 64.39,2.66 67.82,6.1 67.82,10.79 v2(67.31,11.3)
CON_MMC1_CMD: length 14
  TOP w0.12: D21.5 70.87,12.95 71.85,11.97 R267.2 v2(72.39,11.3) R263.2
  BOTTOM w0.12: P12.3 76.26,3.36 75.18,4.45 75.18,7.24 74.3,8.13 74.3,9.4 v2(72.39,11.3)
CON_MMC1_DAT0: length 11.8
  TOP w0.12: R270.2 R261.2 65.63,10.63 65.41,10.41 65.41,8.64 65.66,8.38 66.07,8.38 D20.5 v2(66.67,8.37)
  BOTTOM w0.12: v2(66.67,8.37) 65.15,6.86 65.15,5.59 63.63,4.06 P12.7
CON_MMC1_DAT1: length 9.8
  TOP w0.12: R271.2 R260.2 64.36,10.63 64.13,10.41 64.13,7.49 64.26,7.37 64.72,7.37 D20.3 64.73,7.07 64.52,6.86 v2(64.13,6.86)
  BOTTOM w0.12: P12.8 63.44,4.76 64.13,5.46 v2(64.13,6.86)
CON_MMC1_DAT2: length 10
  TOP w0.12: R266.2 R265.2 74.52,10.63 74.3,10.41 74.3,8.64 74.55,8.38 74.96,8.38 D22.5 v2(75.68,8.37)
  BOTTOM w0.12: P12.1 76.39,4.76 76.2,4.95 76.2,7.86 v2(75.68,8.37)
